# Altium PCB FMC_DAC_125M_14B_16CHA.PcbDoc (part 4 of 9) (continued)
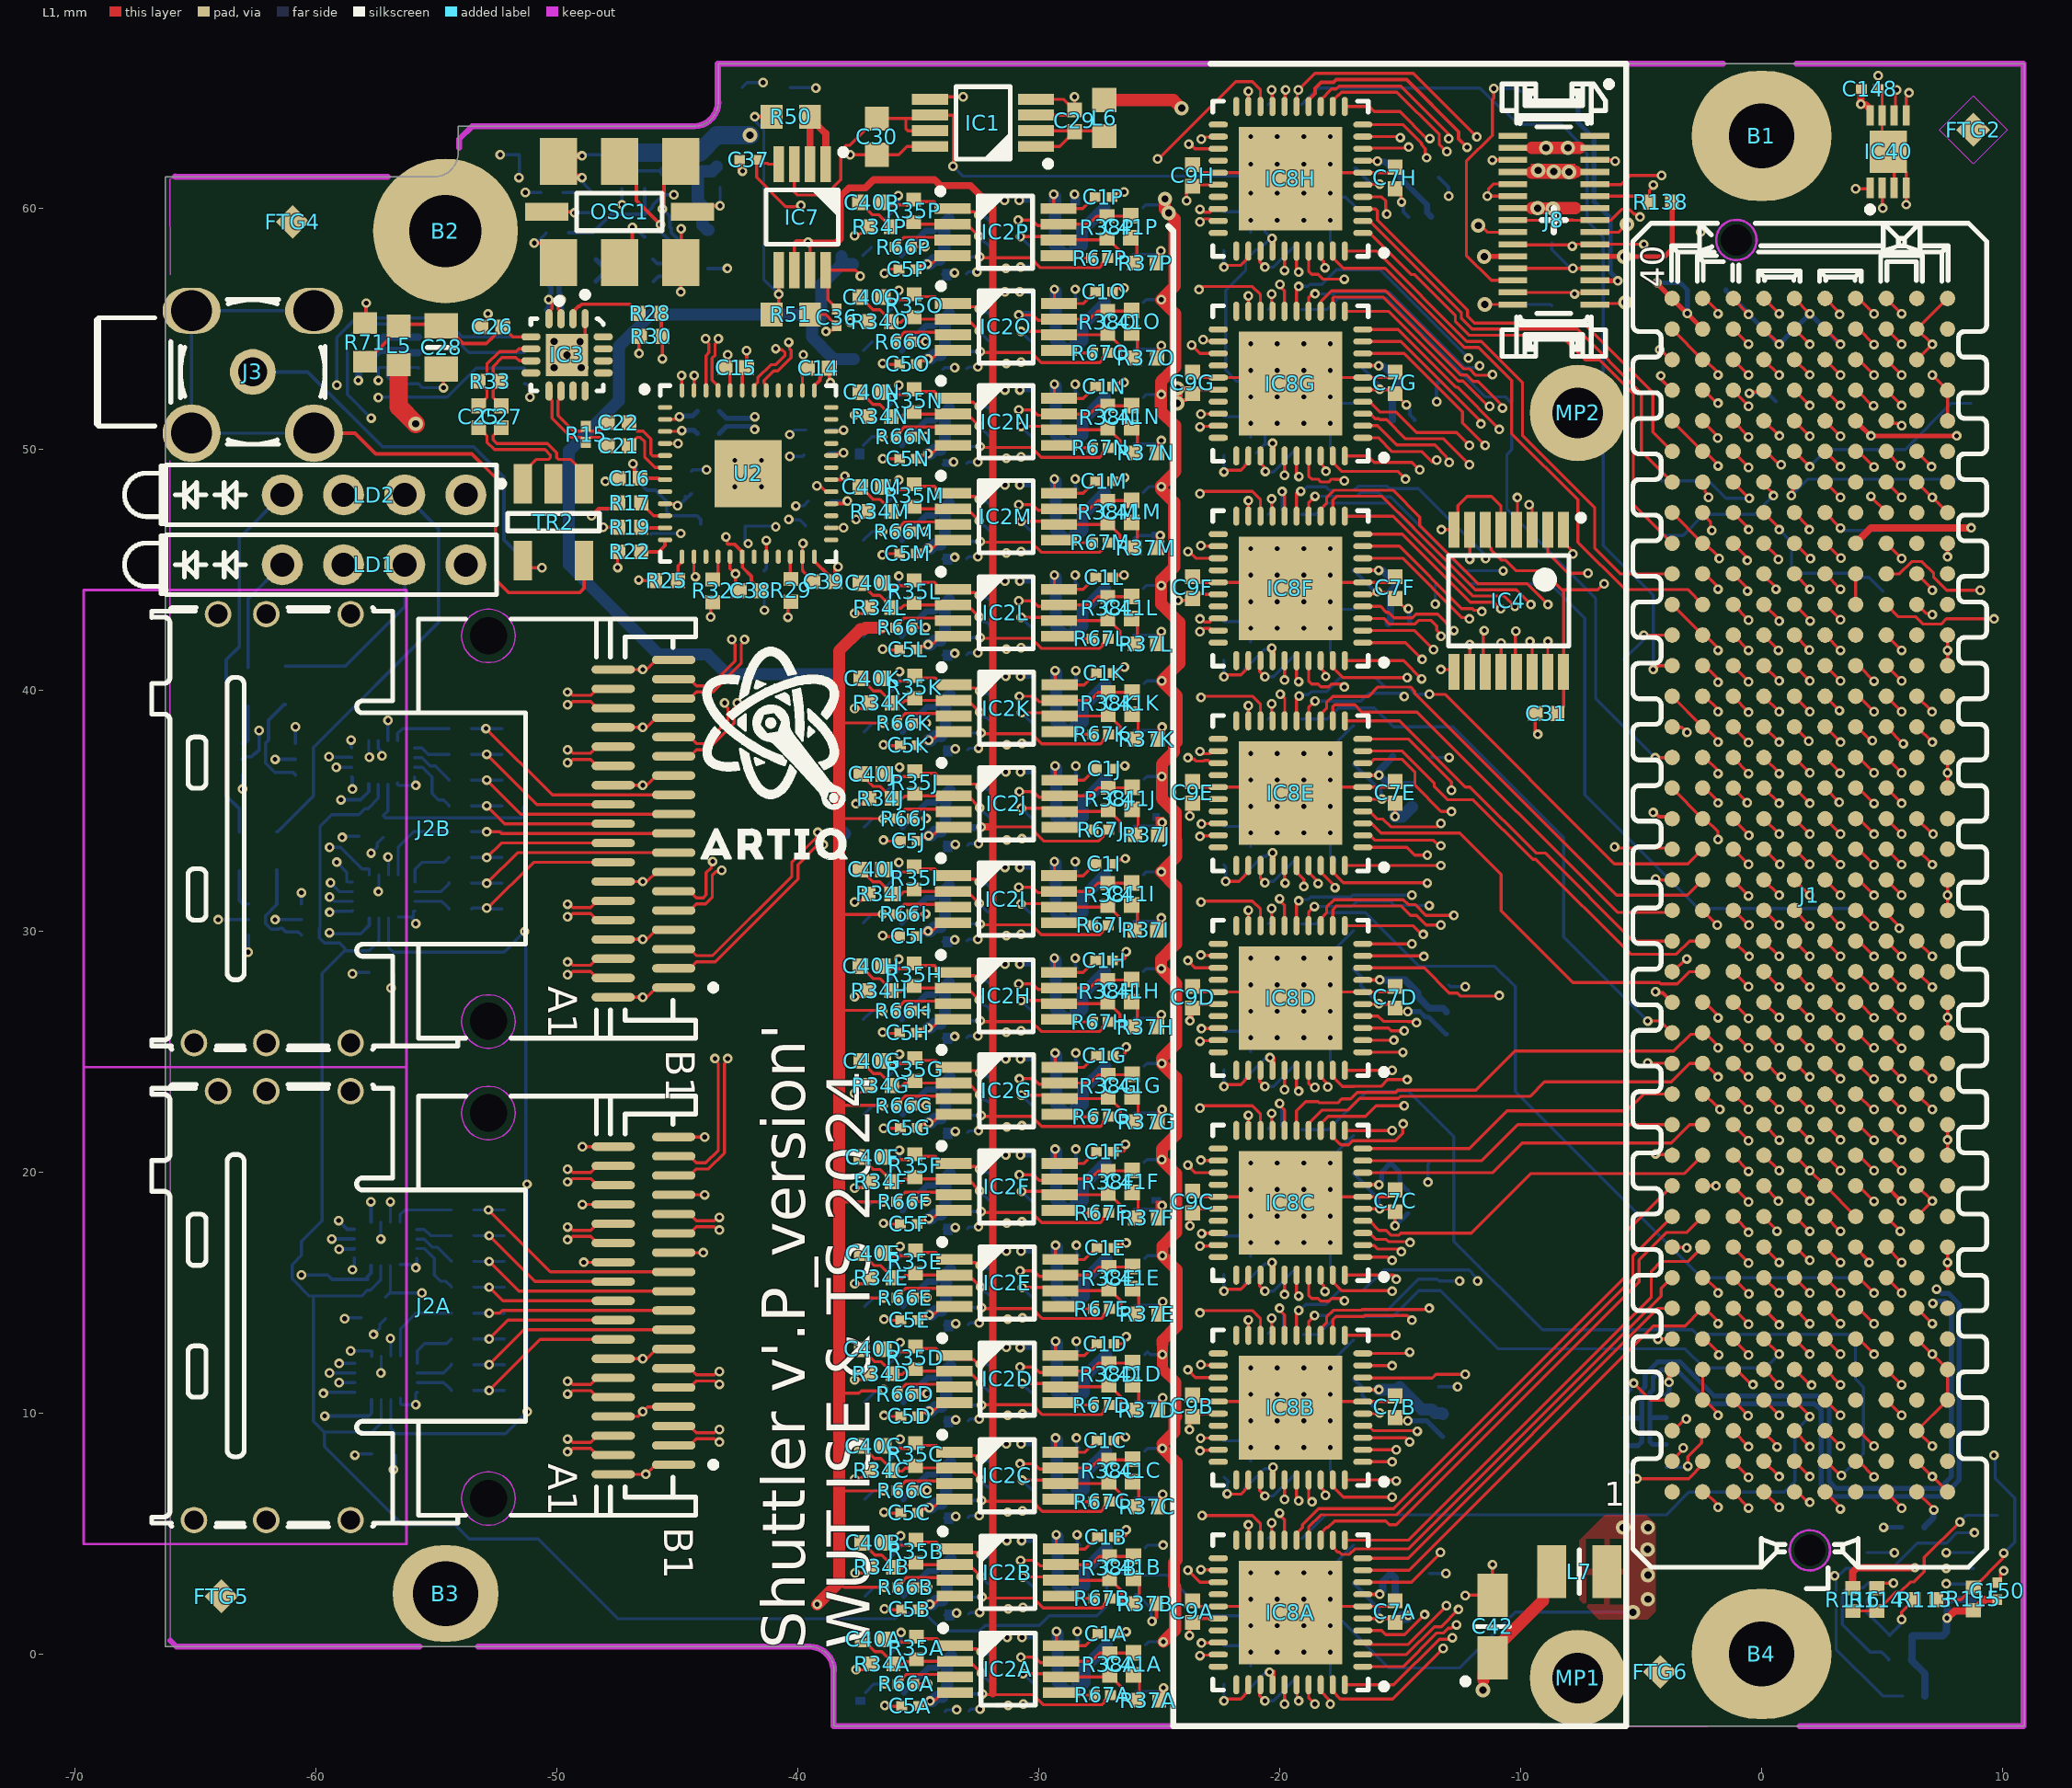
[diagram p0: L1 view]
## Nets (pads, with @x,y where several pads share a name; then routed paths per layer and width w, separated by ;. In a path a pad name is that pad's centre, name@x,y a point inside that pad or via, vN(x,y) a via of type N, cw(c..) or ccw(c..) an arc to the next point about the centre after c; other vN are vias at no path point) (continued)
  L1 w0.145: U2.34@-38.615,50.736 -38.604,50.746 -38.155,50.746 v1(-38.107,50.795)
  L8 w0.145: R20.1@-38.729,50.795 v1(-38.107,50.795)
DAC_CLKR7: R18.1 U2.9 | length 1.4
  L1 w0.145: U2.9@-45.515,47.736 -45.504,47.725 -45.128,47.725 -45.059,47.656 v3(-44.99,47.656)
  L8 w0.145: v3(-44.99,47.656) -44.935,47.656 -44.66,47.932 R18.1@-44.66,48.026 ; R18.1@-44.613,47.959 R18.1@-44.431,48.14
DAC_IOUTA_N: IC8A.29 R2A.1 | length 10
  L1 w0.127: v1(-23.315,-0.071) -23.291,-0.048 -22.572,-0.048 IC8A.29@-22.552,-0.028
  L3 w0.102: v1(-30.647,-2.082) -30.647,-2.055 -30.829,-1.874 -30.829,-1.76 -30.519,-1.45 -25.781,-1.45 -24.268,0.063 -23.524,0.063 -23.389,-0.071 v1(-23.315,-0.071)
  L8 w0.203: v1(-30.647,-2.082) R2A.1@-30.188,-2.082
DAC_IOUTA_P: IC8A.28 R1A.1 | length 10.5
  L1 w0.127: v1(-23.248,0.452) -23.238,0.462 -22.562,0.462 IC8A.28@-22.552,0.472
  L3 w0.102: v1(-31.264,-2.139) -31.264,-2.112 -31.083,-1.93 -31.083,-1.655 -30.624,-1.196 -25.887,-1.196 -24.373,0.317 -23.457,0.317 -23.323,0.452 v1(-23.248,0.452)
  L8 w0.203: R1A.1@-31.747,-2.139 v1(-31.264,-2.139)
DAC_IOUTB_N: IC8B.29 R2C.1 | length 10.2
  L1 w0.127: v1(-23.315,8.429) -23.291,8.452 -22.572,8.452 IC8B.29@-22.552,8.472
  L3 w0.102: v1(-30.682,5.944) -30.682,5.971 -30.864,6.153 -30.864,6.267 -30.554,6.577 -25.817,6.577 -23.828,8.565 -23.524,8.565 -23.388,8.429 v1(-23.315,8.429)
  L8 w0.203: v1(-30.682,5.944) R2C.1@-30.223,5.944
DAC_IOUTB_P: IC8B.28 R1C.1 | length 10.7
  L1 w0.127: v1(-23.284,8.955) -23.275,8.964 -22.561,8.964 IC8B.28@-22.552,8.972
  L3 w0.102: v1(-31.299,5.888) -31.299,5.915 -31.118,6.096 -31.118,6.372 -30.659,6.831 -25.922,6.831 -24.409,8.344 -23.934,8.819 -23.493,8.819 -23.357,8.955 v1(-23.284,8.955)
  L8 w0.203: R1C.1@-31.782,5.888 v1(-31.299,5.888)
DAC_IOUTC_N: IC8C.29 R2E.1 | length 10.8
  L1 w0.127: v1(-23.315,16.929) -23.313,16.93 -22.897,16.93 -22.875,16.952 -22.572,16.952 IC8C.29@-22.552,16.972
  L3 w0.102: v1(-30.682,13.945) -30.682,13.972 -30.864,14.154 -30.864,14.324 -30.669,14.518 -25.787,14.518 -25.639,14.667 -24.179,16.127 -24.03,16.275 -24.03,16.859 -23.826,17.063 -23.524,17.063 -23.39,16.929 v1(-23.315,16.929)
  L8 w0.203: v1(-30.682,13.945) R2E.1@-30.223,13.945
DAC_IOUTC_P: IC8C.28 R1E.1 | length 11.3
  L1 w0.127: v1(-23.244,17.451) -23.233,17.462 -22.875,17.462 -22.865,17.472 IC8C.28@-22.552,17.472
  L3 w0.102: v1(-31.299,13.889) -31.299,13.916 -31.118,14.097 -31.118,14.429 -30.774,14.772 -25.893,14.772 -24.284,16.381 -24.284,16.964 -23.931,17.317 -23.453,17.317 -23.319,17.451 v1(-23.244,17.451)
  L8 w0.203: R1E.1@-31.782,13.889 v1(-31.299,13.889)
DAC_IOUTD_N: IC8D.29 R2G.1 | length 11.4
  L1 w0.127: v1(-23.315,25.429) -23.291,25.452 -22.572,25.452 IC8D.29@-22.552,25.472
  L3 w0.102: v1(-30.707,21.921) -30.707,21.948 -30.889,22.129 -30.889,22.347 -30.749,22.487 -25.684,22.487 -24.188,23.983 -24.188,25.09 -23.715,25.563 -23.524,25.563 -23.389,25.429 v1(-23.315,25.429)
  L8 w0.203: v1(-30.707,21.921) R2G.1@-30.248,21.921
DAC_IOUTD_P: IC8D.28 R1G.1 | length 11.8
  L1 w0.127: v1(-23.247,25.951) -23.237,25.962 -22.562,25.962 IC8D.28@-22.552,25.972
  L3 w0.102: v1(-31.325,21.864) -31.325,21.891 -31.143,22.073 -31.143,22.452 -30.854,22.741 -25.789,22.741 -24.442,24.088 -24.442,25.196 -23.82,25.817 -23.456,25.817 -23.322,25.951 v1(-23.247,25.951)
  L8 w0.203: R1G.1@-31.808,21.864 v1(-31.325,21.864)
DAC_IOUTE_N: IC8E.29 R2I.1 | length 11.7
  L1 w0.127: v1(-23.315,33.929) -23.291,33.952 -22.572,33.952 IC8E.29@-22.552,33.972
  L3 w0.102: v1(-30.733,29.871) -30.733,29.898 -30.915,30.079 -30.915,30.255 -30.702,30.467 -26.413,30.467 -25.86,31.019 -25.86,32.391 -24.189,34.063 -23.524,34.063 -23.389,33.929 v1(-23.315,33.929)
  L8 w0.203: v1(-30.733,29.871) R2I.1@-30.274,29.871
DAC_IOUTE_P: IC8E.28 R1I.1 | length 12.2
  L1 w0.127: v1(-23.248,34.452) -23.238,34.462 -22.562,34.462 IC8E.28@-22.552,34.472
  L3 w0.102: v1(-31.35,29.814) -31.35,29.841 -31.169,30.023 -31.169,30.36 -30.808,30.721 -26.518,30.721 -26.114,31.124 -26.114,32.497 -24.294,34.317 -23.457,34.317 -23.323,34.452 v1(-23.248,34.452)
  L8 w0.203: R1I.1@-31.833,29.814 v1(-31.35,29.814)
DAC_IOUTF_N: IC8F.29 R2K.1 | length 11.2
  L1 w0.127: v1(-23.315,42.429) -23.279,42.429 -23.152,42.556 -22.897,42.556 -22.813,42.472 IC8F.29@-22.552,42.472
  L3 w0.102: v1(-30.707,37.796) -30.707,37.823 -30.889,38.004 -30.889,38.222 -30.705,38.406 -28.015,38.406 -23.856,42.565 -23.524,42.565 -23.387,42.429 v1(-23.315,42.429)
  L8 w0.203: v1(-30.707,37.796) R2K.1@-30.248,37.796
DAC_IOUTF_P: IC8F.28 R1K.1 | length 11.8
  L1 w0.127: v1(-23.315,42.956) -23.246,42.956 -23.119,42.828 -22.897,42.828 -22.897,42.874 -22.799,42.972 IC8F.28@-22.552,42.972
  L3 w0.102: v1(-31.325,37.739) -31.325,37.766 -31.143,37.948 -31.143,38.327 -30.81,38.66 -28.121,38.66 -23.962,42.819 -23.524,42.819 -23.387,42.956 v1(-23.315,42.956)
  L8 w0.203: R1K.1@-31.808,37.739 v1(-31.325,37.739)
DAC_IOUTG_N: IC8G.29 R2M.1 | length 11.9
  L1 w0.127: v1(-23.315,50.929) -23.291,50.952 -22.572,50.952 IC8G.29@-22.552,50.972
  L3 w0.102: v1(-30.733,45.746) -30.733,45.773 -30.915,45.954 -30.915,46.162 -30.732,46.345 -27.673,46.345 -24.242,49.776 -24.242,50.536 -23.713,51.065 -23.524,51.065 -23.387,50.929 v1(-23.315,50.929)
  L8 w0.203: v1(-30.733,45.746) R2M.1@-30.274,45.746
DAC_IOUTG_P: IC8G.28 R1M.1 | length 12.4
  L1 w0.127: v1(-23.272,51.456) -23.263,51.464 -22.56,51.464 IC8G.28@-22.552,51.472
  L3 w0.102: v1(-31.35,45.689) -31.35,45.716 -31.169,45.898 -31.169,46.268 -30.837,46.599 -27.778,46.599 -24.496,49.881 -24.496,50.642 -23.818,51.319 -23.48,51.319 -23.344,51.456 v1(-23.272,51.456)
  L8 w0.203: R1M.1@-31.833,45.689 v1(-31.35,45.689)
DAC_IOUTH_N: IC8H.29 R2O.1 | length 12.4
  L1 w0.127: v1(-23.315,59.429) -23.279,59.429 -23.152,59.556 -22.897,59.556 -22.813,59.472 IC8H.29@-22.552,59.472
  L3 w0.102: v1(-30.733,53.62) -30.733,53.647 -30.915,53.829 -30.915,53.951 -30.653,54.213 -27.862,54.213 -27.788,54.288 -27.674,54.401 -24.402,57.673 -24.253,57.822 -24.253,59.025 -23.713,59.565 -23.524,59.565 -23.387,59.429 v1(-23.315,59.429)
  L8 w0.203: v1(-30.733,53.62) R2O.1@-30.274,53.62
DAC_IOUTH_P: IC8H.28 R1O.1 | length 13
  L1 w0.127: v1(-23.315,59.956) -23.246,59.956 -23.119,59.828 -22.897,59.828 -22.897,59.874 -22.799,59.972 IC8H.28@-22.552,59.972
  L3 w0.102: v1(-31.35,53.563) -31.35,53.59 -31.169,53.772 -31.169,54.057 -30.758,54.467 -27.967,54.467 -24.507,57.927 -24.507,59.13 -23.818,59.819 -23.524,59.819 -23.387,59.956 v1(-23.315,59.956)
  L8 w0.203: R1O.1@-31.833,53.563 v1(-31.35,53.563)
DAC_QOUTA_N: IC8A.22 R2B.1 | length 10
  L1 w0.127: v1(-23.273,3.5) -23.259,3.486 -22.566,3.486 IC8A.22@-22.552,3.472
  L3 w0.102: v1(-30.657,1.931) -30.657,1.958 -30.838,2.14 -30.838,2.254 -30.613,2.479 -23.783,2.479 -23.418,2.844 -23.418,3.291 -23.273,3.436 v1(-23.273,3.5)
  L8 w0.203: v1(-30.657,1.931) R2B.1@-30.198,1.931
DAC_QOUTA_P: IC8A.23 R1B.1 | length 10.8
  L1 w0.127: v1(-23.817,3.475) -23.315,2.972 IC8A.23@-22.552,2.972
  L3 w0.102: v1(-31.274,1.874) -31.274,1.901 -31.092,2.083 -31.092,2.359 -30.718,2.733 -23.888,2.733 -23.672,2.949 -23.672,3.266 -23.817,3.411 v1(-23.817,3.475)
  L8 w0.203: R1B.1@-31.757,1.874 v1(-31.274,1.874)
DAC_QOUTB_N: IC8B.22 R2D.1 | length 10.2
  L1 w0.127: v1(-23.273,12.009) -23.255,11.991 -22.57,11.991 IC8B.22@-22.552,11.972
  L3 w0.102: v1@-30.692,9.958 -30.692,9.985 -30.873,10.166 -30.873,10.28 -30.648,10.505 -25.666,10.505 -25.097,11.075 -23.674,11.075 -23.417,11.332 -23.417,11.8 -23.273,11.944 v1(-23.273,12.009)
  L8 w0.203: v1(-30.682,9.957) R2D.1@-30.223,9.957
DAC_QOUTB_P: IC8B.23 R1D.1 | length 10.7
  L1 w0.127: v1(-23.817,11.79) -23.5,11.472 IC8B.23@-22.552,11.472
  L3 w0.102: v1@-31.309,9.901 -31.309,9.928 -31.127,10.11 -31.127,10.385 -30.753,10.76 -26.431,10.76 -25.772,10.759 -25.202,11.329 -23.779,11.329 -23.671,11.438 -23.671,11.581 -23.817,11.727 v1(-23.817,11.79)
  L8 w0.203: R1D.1@-31.782,9.901 v1(-31.299,9.901)
DAC_QOUTC_N: IC8C.22 R2F.1 | length 10.6
  L1 w0.127: v1(-23.273,20.493) -23.263,20.482 -22.562,20.482 IC8C.22@-22.552,20.472
  L3 w0.102: v1(-30.707,17.933) -30.707,17.96 -30.889,18.141 -30.889,18.318 -30.726,18.481 -25.736,18.481 -25.059,19.158 -23.842,19.158 -23.566,19.435 -23.417,19.584 -23.417,20.284 -23.273,20.428 v1(-23.273,20.493)
  L8 w0.203: v1(-30.707,17.933) R2F.1@-30.248,17.933
DAC_QOUTC_P: IC8C.23 R1F.1 | length 11.2
  L1 w0.127: v1(-23.817,20.289) -23.5,19.972 IC8C.23@-22.552,19.972
  L3 w0.102: v1(-31.325,17.876) -31.325,17.903 -31.143,18.085 -31.143,18.423 -30.831,18.735 -25.841,18.735 -25.164,19.412 -23.947,19.412 -23.671,19.689 -23.671,20.081 -23.817,20.227 v1(-23.817,20.289)
  L8 w0.203: R1F.1@-31.808,17.876 v1(-31.325,17.876)
DAC_QOUTD_N: IC8D.22 R2H.1 | length 11
  L1 w0.127: v1(-23.273,29.002) -23.258,28.987 -22.567,28.987 IC8D.22@-22.552,28.972
  L3 w0.102: v1(-30.733,25.858) -30.733,25.885 -30.915,26.066 -30.915,26.195 -30.678,26.431 -25.733,26.431 -24.771,27.393 -23.854,27.393 -23.273,27.974 v1(-23.273,29.002)
  L8 w0.203: v1(-30.733,25.858) R2H.1@-30.274,25.858
DAC_QOUTD_P: IC8D.23 R1H.1 | length 11.7
  L1 w0.127: v1(-23.817,28.773) -23.517,28.472 IC8D.23@-22.552,28.472
  L3 w0.102: v1(-31.35,25.801) -31.35,25.828 -31.169,26.01 -31.169,26.3 -30.783,26.685 -25.838,26.685 -24.876,27.647 -23.959,27.647 -23.527,28.08 -23.527,28.649 -23.594,28.716 -23.76,28.716 v1(-23.817,28.773)
  L8 w0.203: R1H.1@-31.833,25.801 v1(-31.35,25.801)
DAC_QOUTE_N: IC8E.22 R2J.1 | length 11.4
  L1 w0.127: v1(-23.315,37.456) -23.267,37.456 -23.17,37.358 -22.897,37.358 -22.897,37.374 -22.799,37.472 IC8E.22@-22.552,37.472
  L3 w0.102: v1(-30.707,33.833) -30.707,33.86 -30.889,34.042 -30.889,34.229 -30.667,34.452 -27.033,34.452 -25.947,35.538 -24.11,35.538 -23.315,36.333 v1(-23.315,37.456)
  L8 w0.203: v1(-30.707,33.833) R2J.1@-30.248,33.833
DAC_QOUTE_P: IC8E.23 R1J.1 | length 11.8
  L1 w0.127: v1(-23.817,37.19) -23.768,37.141 -23.565,37.141 -23.48,37.056 -23.149,37.056 -23.119,37.086 -22.964,37.086 -22.851,36.972 IC8E.23@-22.552,36.972
  L3 w0.102: v1(-31.325,33.777) -31.325,33.804 -31.143,33.985 -31.143,34.335 -30.772,34.706 -27.139,34.706 -26.052,35.792 -24.215,35.792 -23.569,36.439 -23.569,37.024 -23.628,37.083 -23.63,37.083 -23.736,37.19 v1(-23.817,37.19)
  L8 w0.203: R1J.1@-31.808,33.777 v1(-31.325,33.777)
DAC_QOUTF_N: IC8F.22 R2L.1 | length 11.3
  L1 w0.127: v1(-23.273,45.994) -23.262,45.983 -22.563,45.983 IC8F.22@-22.552,45.972
  L3 w0.102: v1(-30.733,41.758) -30.733,41.785 -30.915,41.967 -30.915,42.133 -30.706,42.342 -27.527,42.342 -25.058,44.811 -23.722,44.811 -23.273,45.26 v1(-23.273,45.994)
  L8 w0.203: v1(-30.733,41.758) R2L.1@-30.274,41.758
DAC_QOUTF_P: IC8F.23 R1L.1 | length 12
  L1 w0.127: v1(-23.806,45.746) -23.762,45.746 -23.489,45.472 IC8F.23@-22.552,45.472
  L3 w0.102: v1(-31.35,41.701) -31.35,41.728 -31.169,41.91 -31.169,42.238 -30.811,42.596 -27.632,42.596 -25.163,45.065 -23.827,45.065 -23.527,45.365 -23.527,45.611 -23.605,45.688 -23.749,45.688 v1(-23.806,45.746)
  L8 w0.203: R1L.1@-31.833,41.701 v1(-31.35,41.701)
DAC_QOUTG_N: IC8G.22 R2N.1 | length 11.6
  L1 w0.127: v1@-23.121,54.529 -23.094,54.529 -23.058,54.492 -22.572,54.492 IC8G.22@-22.552,54.472
  L3 w0.102: v1(-30.733,49.683) -30.733,49.71 -30.915,49.891 -30.915,50.027 -30.696,50.245 -27.77,50.245 -27.621,50.394 -24.912,53.103 -23.762,53.103 -23.181,53.683 v1(-23.181,54.547)
  L8 w0.203: v1(-30.733,49.683) R2N.1@-30.274,49.683
DAC_QOUTG_P: IC8G.23 R1N.1 | length 12.2
  L1 w0.127: v1@-23.629,54.325 -23.629,54.291 -23.31,53.972 IC8G.23@-22.552,53.972
  L3 w0.102: v1(-31.35,49.626) -31.35,49.653 -31.169,49.835 -31.169,50.132 -30.802,50.499 -30.19,50.499 -27.875,50.499 -25.017,53.357 -23.867,53.357 -23.435,53.789 -23.435,54.126 -23.629,54.319 v1(-23.656,54.319)
  L8 w0.203: R1N.1@-31.833,49.626 v1(-31.35,49.626)
DAC_QOUTH_N: IC8H.22 R2P.1 | length 11.8
  L1 w0.127: v1(-23.253,62.872) -23.184,62.872 -23.104,62.952 -22.572,62.952 IC8H.22@-22.552,62.972
  L3 w0.102: v1(-30.758,57.557) -30.758,57.584 -30.94,57.766 -30.94,57.888 -30.702,58.126 -27.918,58.126 -27.769,58.275 -24.728,61.316 -24.074,61.316 -23.39,62.001 -23.39,62.663 -23.253,62.8 v1(-23.253,62.872)
  L8 w0.203: v1(-30.758,57.557) R2P.1@-30.299,57.557
DAC_QOUTH_P: IC8H.23 R1P.1 | length 12.3
  L1 w0.127: v1@-23.832,62.631 -23.688,62.631 -23.529,62.472 IC8H.23@-22.552,62.472
  L3 w0.102: v1(-31.376,57.5) -31.376,57.527 -31.194,57.709 -31.194,57.993 -30.807,58.38 -28.023,58.38 -24.833,61.57 -24.179,61.57 -23.644,62.106 -23.644,62.445 -23.78,62.582 v1(-23.78,62.654)
  L8 w0.203: R1P.1@-31.858,57.5 v1(-31.376,57.5)
DAC_REF: C12A.1 C12B.1 C12C.1 C12D.1 C12E.1 C12F.1 C12G.1 C12H.1 C30.2 IC1.6 IC1.7 IC7.3 IC8A.34 IC8B.34 IC8C.34 IC8D.34 IC8E.34 IC8F.34 IC8G.34 IC8H.34 | length 111
  L1 w0.127: IC7.3@-40.146,61.83 -40.146,60.672 -40.02,60.547 -38.858,60.547 -38.221,61.184 -38.221,62.384 -37.992,62.613 -37.835,62.613 C30.2@-36.725,63.722 -35.516,63.722 ; IC1.7@-34.514,63.217 -35.441,63.217 -35.516,63.292 -35.516,63.722 ; v1(-33.562,61.744) -33.544,61.761 -33.544,63.867 IC1.6@-34.514,63.867 -34.658,63.722 -35.516,63.722 ; v1(-20.325,58.745) -20.314,58.735 -20.314,58.707 -20.276,58.669 -20.276,58.618 -20.278,58.62 -20.278,58.246 IC8H.34@-20.302,58.222
  L1 w0.152: v1(-20.424,-0.755) -20.36,-0.819 -20.327,-0.819 -20.327,-0.831 v1@-20.289,-0.869 ; v1(-20.403,24.745) -20.289,24.631 IC8D.34@-20.289,24.582
  L5 w0.127: v1(-20.424,-0.755) -20.435,-0.744 -21.548,-0.744 -21.748,-0.545 -21.748,6.79 -21.837,6.879 -21.837,7.793 ; v1(-20.403,24.745) -20.43,24.773 -21.837,24.773 ; v1(-20.328,41.745) -20.341,41.758 -21.837,41.758 ; v1(-20.325,16.245) -20.351,16.219 -21.837,16.219 ; v1(-20.301,50.245) -20.312,50.256 -21.215,50.256 -21.837,49.634 -21.837,41.758 ; v1(-20.276,7.745) -20.324,7.793 -21.837,7.793 ; v1@-20.115,33.256 -20.301,33.256 -21.837,33.256 ; -21.837,7.793 -21.837,16.219 ; -21.837,16.219 -21.837,24.773 ; -21.837,24.773 -21.837,33.256 ; -21.837,33.256 -21.837,41.758
  L8 w0.127: v1(-33.562,61.744) -33.562,61.742 -33.152,61.332 -20.943,61.332 -20.615,61.003 -20.615,59.036 v1(-20.325,58.745) ; C12A.1@-21.461,-1.641 -21.415,-1.594 C12A.1@-21.415,-1.444 ; C12B.1@-21.461,6.859 -21.415,6.906 C12B.1@-21.415,7.056 ; C12C.1@-21.461,15.359 -21.415,15.406 C12C.1@-21.415,15.556 ; C12D.1@-21.461,23.859 -21.415,23.906 C12D.1@-21.415,24.056 ; C12E.1@-21.461,32.359 -21.415,32.406 C12E.1@-21.415,32.556 ; C12F.1@-21.461,40.859 -21.415,40.906 C12F.1@-21.415,41.056 ; C12G.1@-21.461,49.359 -21.415,49.406 C12G.1@-21.415,49.556 ; C12H.1@-21.415,58.056 -21.415,57.416 -22.247,56.584 -22.247,53.284 -21.783,52.819 -21.226,52.819 -20.761,52.355 -20.761,51.553 -20.615,51.407 -20.615,50.206 ; C12A.1@-21.215,-1.394 -20.628,-0.807 -20.476,-0.807 v1(-20.424,-0.755) ; C12B.1@-21.215,7.106 -20.628,7.693 -20.328,7.693 v1(-20.276,7.745) ; C12C.1@-21.215,15.606 -20.628,16.193 -20.377,16.193 v1(-20.325,16.245) ; C12D.1@-21.215,24.106 -20.628,24.693 -20.455,24.693 v1(-20.403,24.745) ; C12E.1@-21.215,32.606 -20.728,33.093 -20.578,33.093 -20.467,33.203 -20.167,33.203 v1@-20.115,33.256 ; C12F.1@-21.215,41.106 -20.628,41.693 -20.38,41.693 v1(-20.328,41.745) ; C12H.1@-21.215,58.055 -20.994,58.276 -20.868,58.276 v1@-20.377,58.766 ; C12G.1@-20.971,49.849 -20.615,50.206 ; v1(-20.301,50.245) -20.341,50.206 -20.615,50.206
  other v1: -20.301,33.243
DATA0A: IC8A.15 J1.k11 | length 23
  L1 w0.127: IC8A.15@-19.302,4.722 -19.302,4.997 -19.056,5.243 -19.056,5.363 -18.393,6.026 -15.269,6.026 -5.595,15.701 -5.595,17.546 J1.k11@-3.715,19.426
DATA0B: IC8B.15 J1.d14 | length 30.5
  L1 w0.127: IC8B.15@-19.302,13.222 -19.302,14.169 v1(-19.215,14.256) ; J1.d14@3.905,23.236 3.966,23.236 4.607,22.595 v1(4.668,22.595)
  L3 w0.127: v1@-11.695,15.383 -4.087,22.991 -0.217,22.991 0.62,22.154 4.228,22.154 4.636,22.563 4.636,22.595 v1(4.668,22.595)
  L8 w0.127: v1(-19.215,14.256) -19.173,14.256 -18.918,14.511 -18.09,14.511 -17.529,15.072 -16.552,15.072 -15.688,15.936 -15.324,15.936 -15.322,15.938 -12.139,15.938 -12.023,15.823 -12.023,15.785 -11.792,15.553 v1(-11.792,15.479)
DATA0C: IC8C.15 J1.j16 | length 19.9
  L1 w0.127: IC8C.15@-19.302,21.722 -19.302,22.546 -18.927,22.921 -18.402,22.921 -18.352,22.871 -17.589,22.871 -17.427,23.033 -17.061,23.033 -16.787,23.307 -15.187,23.307 -15.101,23.393 -11.86,23.393 -10.237,25.016 -3.654,25.016 -2.955,25.715 -2.506,25.715 J1.j16@-2.445,25.776 ; J1.j16@-2.357,25.776 -1.81,25.229 v1(-1.81,25.15)
DATA0D: IC8D.15 J1.c19 | length 28.5
  L1 w0.127: IC8D.15@-19.302,30.222 -19.302,31.169 v1(-19.215,31.256) ; J1.c19@5.175,29.586 5.18,29.586 5.18,29.583 5.813,28.951 v1(5.815,28.951)
  L5 w0.127: v1(-14.51,31.491) -8.237,31.491 -7.961,31.767 -4.208,31.767 -4.126,31.849 -0.373,31.849 0.542,30.935 3.108,30.935 4.271,29.772 4.994,29.772 v1(5.815,28.951)
  L8 w0.127: v1(-19.215,31.256) -19.163,31.307 -18.824,31.307 -18.719,31.412 -17.054,31.412 -16.975,31.491 v1(-14.51,31.491)
DATA0E: IC8E.15 J1.j22 | length 21.5
  L1 w0.127: IC8E.15@-19.302,38.722 v1@-19.302,39.669 ; v1(-13.789,39.834) -13.781,39.825 -13.148,39.825 -6.109,32.786 -3.055,32.786 J1.j22@-2.445,33.396
  L8 w0.127: v1(-19.199,39.756) -19.147,39.808 -18.824,39.808 -18.696,39.935 -18.068,39.935 -17.483,40.52 -16.022,40.52 -15.631,40.13 -14.672,40.13 -14.376,39.834 v1(-13.789,39.834)
DATA0F: IC8F.15 J1.h29 | length 23.9
  L1 w0.127: IC8F.15@-19.302,47.222 -19.302,48.169 -19.215,48.256 v1(-19.124,48.256) ; J1.h29@-1.175,42.286 v1(-0.54,41.651)
  L3 w0.127: v1(-11.454,45.459) -11.452,45.461 -8.895,45.461 -5.327,41.893 -3.102,41.893 -2.954,42.041 -0.93,42.041 v1(-0.54,41.651)
  L8 w0.127: v1(-19.124,48.256) -19.051,48.256 -18.871,48.435 -18.083,48.435 -17.947,48.299 -16.915,48.299 -16.746,48.468 -15.544,48.468 -15.441,48.365 -14.24,48.365 -11.446,45.572 -11.454,45.564 v1(-11.454,45.459)
DATA0G: IC8G.15 J1.f29 | length 33.6
  L1 w0.127: IC8G.15@-19.302,55.722 -19.302,56.669 v1(-19.215,56.756) ; J1.f29@1.365,42.286 v1(1.983,41.668)
  L5 w0.127: v1(-12.164,53.776) -12.112,53.829 -11.883,53.829 -11.866,53.846 -11.01,53.846 -9.429,52.265 -9.429,50.917 -8.325,49.814 -7.445,49.814 -6.99,49.359 -6.364,49.359 -3.258,46.253 -3.258,42.076 -2.442,41.26 1.609,41.26 1.983,41.633 v1(1.983,41.668)
  L8 w0.127: v1(-19.215,56.756) -19.204,56.766 -18.824,56.766 -18.752,56.838 -18.26,56.838 -17.652,57.446 -15.834,57.446 v1(-12.164,53.776)
DATA0H: IC8H.15 J1.e31 | length 39.4
  L1 w0.127: IC8H.15@-19.302,64.222 -19.278,64.246 -19.278,64.859 v1(-19.231,64.906) ; v1@-19.228,64.904 -19.228,64.909 -18.537,65.6 -14.457,65.6 v1(-11.818,62.961) ; J1.e31@2.635,44.826 v1(3.27,44.191)
  L3 w0.127: v1(-11.818,62.961) -11.834,62.945 -11.834,59.904 -12.254,59.484 -12.254,55.911 -9.792,53.449 -4.029,53.449 -2.365,51.785 -2.365,51.782 -0.702,50.118 -0.508,50.118 0.934,48.677 1.191,48.677 2.632,47.235 2.632,45.587 3.27,44.949 v1(3.27,44.191)
DATA1A: IC8A.14 J1.k10 | length 21.5
  L1 w0.127: IC8A.14@-18.802,4.722 -18.802,5.258 -18.288,5.772 -15.164,5.772 -5.341,15.596 -5.341,16.53 J1.k10@-3.715,18.156
DATA1B: IC8B.14 J1.d15 | length 29.3
  L1 w0.127: IC8B.14@-18.802,13.222 -18.802,13.777 -18.552,14.027 v1(-18.552,14.045) ; J1.d15@3.905,24.506 3.966,24.506 4.607,23.865 v1(4.668,23.865)
  L3 w0.127: v1@-12.576,15.517 -4.849,23.245 4.049,23.245 v1(4.668,23.865)
  L8 w0.127: v1(-18.552,14.045) -17.976,14.045 -17.756,14.265 -15.545,14.265 -14.255,15.556 -13.472,15.556 -13.395,15.479 v1(-12.538,15.479)
DATA1C: IC8C.14 J1.j15 | length 18.5
  L1 w0.127: IC8C.14@-18.802,21.722 -18.802,21.997 -18.231,22.569 -17.166,22.569 -16.682,23.053 -15.081,23.053 -14.995,23.139 -9.619,23.139 -9.011,23.746 -3.752,23.746 -2.993,24.506 J1.j15@-2.445,24.506 ; J1.j15@-2.357,24.506 -1.81,23.959 v1(-1.81,23.946)
DATA1D: IC8D.14 J1.h20 | length 20.3
  L1 w0.127: IC8D.14@-18.802,30.222 -18.802,30.777 v1(-18.558,31.022) ; J1.h20@-1.175,30.856 -1.153,30.856 -0.55,30.253 v1(-0.528,30.253)
  L5 w0.127: v1(-13.797,31.06) -1.335,31.06 v1(-0.528,30.253)
  L8 w0.127: v1(-18.558,31.022) -17.007,31.022 -16.793,31.237 -15.42,31.237 -15.243,31.06 v1(-13.797,31.06)
DATA1E: IC8E.14 J1.f20 | length 26.8
  L1 w0.127: IC8E.14@-18.802,38.722 -18.802,39.277 v1(-18.535,39.545) ; J1.f20@1.365,30.856 v1(2,30.221)
  L3 w0.127: v1(-14.834,39.739) -4.957,29.863 1.642,29.863 v1(2,30.221)
  L8 w0.127: v1(-18.535,39.545) -16.641,39.545 -16.314,39.872 -14.908,39.872 -14.834,39.798 v1(-14.834,39.739)
DATA1F: IC8F.14 J1.g28 | length 24.4
  L1 w0.127: IC8F.14@-18.802,47.222 -18.802,47.777 v1(-18.535,48.045) ; J1.g28@0.095,41.016 v1(0.73,40.381)
  L3 w0.127: v1(-10.726,44.953) -10.723,44.956 -9.374,44.956 -5.664,41.246 -0.136,41.246 v1(0.73,40.381)
  L8 w0.127: v1(-18.535,48.045) -16.81,48.045 -16.641,48.214 -15.911,48.214 -15.711,48.015 -15.386,48.015 -12.325,44.953 v1(-10.726,44.953)
DATA1G: IC8G.14 J1.f28 | length 32.8
  L1 w0.127: IC8G.14@-18.802,55.722 -18.802,56.277 -18.632,56.448 v1(-18.535,56.448) ; J1.f28@1.365,41.016 v1(2,40.381)
  L5 w0.127: v1(-11.704,53.456) -11.677,53.483 -11.006,53.483 -10.114,52.591 -10.114,51.786 -9.683,51.354 -9.683,50.436 -8.701,49.453 -7.444,49.453 -6.808,48.817 -6.593,48.817 -3.617,45.84 -3.617,41.254 -3.274,40.911 1.47,40.911 v1(2,40.381)
  L8 w0.127: v1(-18.535,56.448) -17.731,56.448 -17.664,56.515 -15.455,56.515 -12.326,53.386 -11.848,53.386 -11.778,53.456 v1(-11.704,53.456)
DATA1H: IC8H.14 J1.f32 | length 37.4
  L1 w0.127: J1.f32@1.365,46.096 1.388,46.096 v1(2.024,45.461)
  L1 w0.152: IC8H.14@-18.802,64.222 -18.802,64.497 -18.535,64.764 -18.535,64.969 -18.286,65.217 -17.765,65.217 -17.648,65.334 -14.731,65.334 -12.57,63.173 -12.57,62.876 v1(-12.224,62.53)
  L3 w0.127: v1(-12.224,62.53) -12.224,61.388 -12.088,61.251 -12.088,60.009 -12.508,59.589 -12.508,55.806 -9.897,53.195 -6.92,53.195 -3.478,49.753 -0.502,49.753 0.049,49.202 0.049,47.963 0.599,47.412 1.839,47.412 2.378,46.873 2.378,46.397 2.023,46.041 2.023,45.462 v1(2.024,45.461)
DATA2A: IC8A.13 J1.j10 | length 22.2
  L1 w0.127: IC8A.13@-18.302,4.722 -18.302,4.997 -18.056,5.243 -18.002,5.243 -17.727,5.518 -15.598,5.518 -15.443,5.364 -15.16,5.364 -5.087,15.438 -5.087,16.347 -3.94,17.494 -3.107,17.494 J1.j10@-2.445,18.156
DATA2B: IC8B.13 J1.h14 | length 22.8
  L1 w0.127: IC8B.13@-18.302,13.222 -18.302,13.497 -18.056,13.743 -18.056,13.987 -17.777,14.265 -16.61,14.265 -16.576,14.299 -13.844,14.299 v1(-13.797,14.346) ; J1.h14@-1.175,23.236 -1.146,23.236 -0.585,22.674 v1@-0.556,22.674
  L3 w0.127: v1(-13.797,14.346) -13.335,14.808 -11.911,14.808 -4.508,22.21 -0.93,22.21 v1(-0.54,22.601)
DATA2C: IC8C.13 J1.f14 | length 22.3
  L1 w0.127: IC8C.13@-18.302,21.722 -18.302,21.997 -17.986,22.313 -16.436,22.313 -16,22.748 v1(-14.834,22.748) ; J1.f14@1.365,23.236 v1(2,22.601)
  L5 w0.127: v1(-14.834,22.748) -14.443,22.358 -2.519,22.358 -2.159,21.997 1.397,21.997 v1(2,22.601)
DATA2D: IC8D.13 J1.g19 | length 21.7
  L1 w0.127: IC8D.13@-18.302,30.222 -18.302,30.497 -18.056,30.743 -18.056,30.987 -17.744,31.299 -14.87,31.299 -14.672,31.1 -14.389,31.1 -13.943,30.654 v1(-12.772,30.654) ; J1.g19@0.095,29.586 v1(0.73,28.951)
  L5 w0.127: v1(-12.772,30.654) -1.691,30.654 -0.9,29.863 -0.284,29.863 0.349,29.23 0.451,29.23 v1(0.73,28.951)
DATA2E: IC8E.13 J1.j21 | length 20.6
  L1 w0.127: IC8E.13@-18.302,38.722 -18.302,38.997 -18.056,39.243 -18.056,39.487 -17.803,39.739 -16.315,39.739 -15.924,40.13 -14.578,40.13 -14.397,39.949 -14.397,39.872 -6.016,31.491 -3.08,31.491 J1.j21@-2.445,32.126
DATA2F: IC8F.13 J1.h28 | length 23.2
  L1 w0.127: IC8F.13@-18.302,47.222 -18.302,47.497 -18.056,47.743 -18.056,47.987 -17.744,48.299 -15.304,48.299 -14.19,47.185 -14.19,46.832 -11.771,44.413 -9.729,44.413 v1(-8.872,43.556) ; J1.h28@-1.175,41.016 -1.175,41 -0.54,40.365 v1(-0.54,40.349)
  L3 w0.127: v1(-8.872,43.556) -8.842,43.556 -5.751,40.465 -3.002,40.465 -2.696,40.771 -0.962,40.771 v1(-0.54,40.349)
DATA2G: IC8G.13 J1.j28 | length 28.4
  L1 w0.127: IC8G.13@-18.302,55.722 -18.302,56.123 -17.858,56.567 -15.608,56.567 -12.377,53.335 -12.136,53.335 -11.866,53.065 -11.195,53.065 v1(-11.168,53.092) ; J1.j28@-2.445,41.016 -2.357,41.016 -1.81,40.469 v1(-1.81,40.332)
  L5 w0.127: v1(-11.168,53.092) -11.168,53.032 -10.368,52.233 -10.368,51.68 -9.937,51.249 -9.937,50.33 -8.169,48.563 -6.698,48.563 -3.991,45.856 -3.991,41.259 -3.113,40.381 -1.858,40.381 v1(-1.81,40.332)
DATA2H: IC8H.13 J1.e30 | length 39.3
  L1 w0.127: IC8H.13@-18.302,64.222 -18.302,64.497 -17.849,64.95 -17.654,64.95 -17.538,65.067 -14.967,65.067 -12.986,63.086 v1(-12.986,62.885) ; J1.e30@2.635,43.556 v1(3.27,42.921)
  L3 w0.127: v1(-12.986,62.885) -12.671,62.57 -12.671,61.1 -12.342,60.771 -12.342,60.115 -12.762,59.694 -12.762,55.598 -9.316,52.152 -9.316,50.192 -8.04,48.916 -1.765,48.916 -1.42,48.571 -1.42,46.756 0.678,44.659 2.084,44.659 2.39,44.352 2.39,43.8 v1(3.27,42.921)
DATA3A: IC8A.12 J1.k8 | length 19.4
  L1 w0.127: IC8A.12@-17.802,4.722 -17.802,4.447 -17.581,4.227 -17.528,4.227 -17.433,4.132 -17.114,4.132 -16.887,4.358 -14.664,4.358 -4.166,14.856 -4.166,15.165 J1.k8@-3.715,15.616
DATA3B: IC8B.12 J1.g13 | length 23.7
  L1 w0.127: IC8B.12@-17.802,13.222 -17.802,13.881 -17.672,14.011 -16.505,14.011 -16.471,14.045 -14.713,14.045 v1(-14.515,13.847) ; J1.g13@0.095,21.966 0.095,21.962 0.097,21.962 0.732,21.327 v1(0.732,21.325)
  L3 w0.127: v1(-14.515,13.847) -12.512,13.847 -4.588,21.771 0.285,21.771 v1(0.732,21.325)
DATA3C: IC8C.12 J1.f13 | length 22
  L1 w0.127: IC8C.12@-17.802,21.722 -17.802,21.447 -17.513,21.159 -17.46,21.159 -17.433,21.132 -17.141,21.132 -16.974,21.299 -15.209,21.299 -14.901,21.607 -14.901,21.973 v1(-14.877,21.997) ; J1.f13@1.365,21.966 v1(2,21.331)
  L5 w0.127: v1(-14.877,21.997) -14.595,21.715 1.616,21.715 v1(2,21.331)
DATA3D: IC8D.12 J1.h19 | length 19.8
  L1 w0.127: IC8D.12@-17.802,30.222 -17.802,30.881 -17.638,31.045 -14.976,31.045 -14.581,30.65 -14.318,30.65 -13.923,30.255 v1(-13.315,30.255) ; J1.h19@-1.175,29.586 -1.166,29.586 -0.524,28.944 v1(-0.515,28.944)
  L5 w0.127: v1(-13.315,30.255) -4.107,30.255 -3.682,29.83 -1.424,29.83 -0.538,28.944 v1(-0.515,28.944)
DATA3E: IC8E.12 J1.k20 | length 18.3
  L1 w0.127: IC8E.12@-17.802,38.722 -17.802,39.313 -17.728,39.387 -16.889,39.387 -16.592,39.091 -14.3,39.091 -5.986,30.777 -3.793,30.777 J1.k20@-3.715,30.856
DATA3F: IC8F.12 J1.g27 | length 23.9
  L1 w0.127: IC8F.12@-17.802,47.222 -17.802,47.881 -17.638,48.045 -15.753,48.045 -14.444,46.735 -14.444,46.726 -11.876,44.159 -10.181,44.159 v1(-9.577,43.556) ; J1.g27@0.095,39.746 v1(0.73,39.111)
  L3 w0.127: v1(-9.577,43.556) -8.848,42.826 -8.472,42.826 -5.385,39.739 0.101,39.739 v1(0.73,39.111)